# Altium PCB PCB1.PcbDoc (part 1 of 2) (continued)
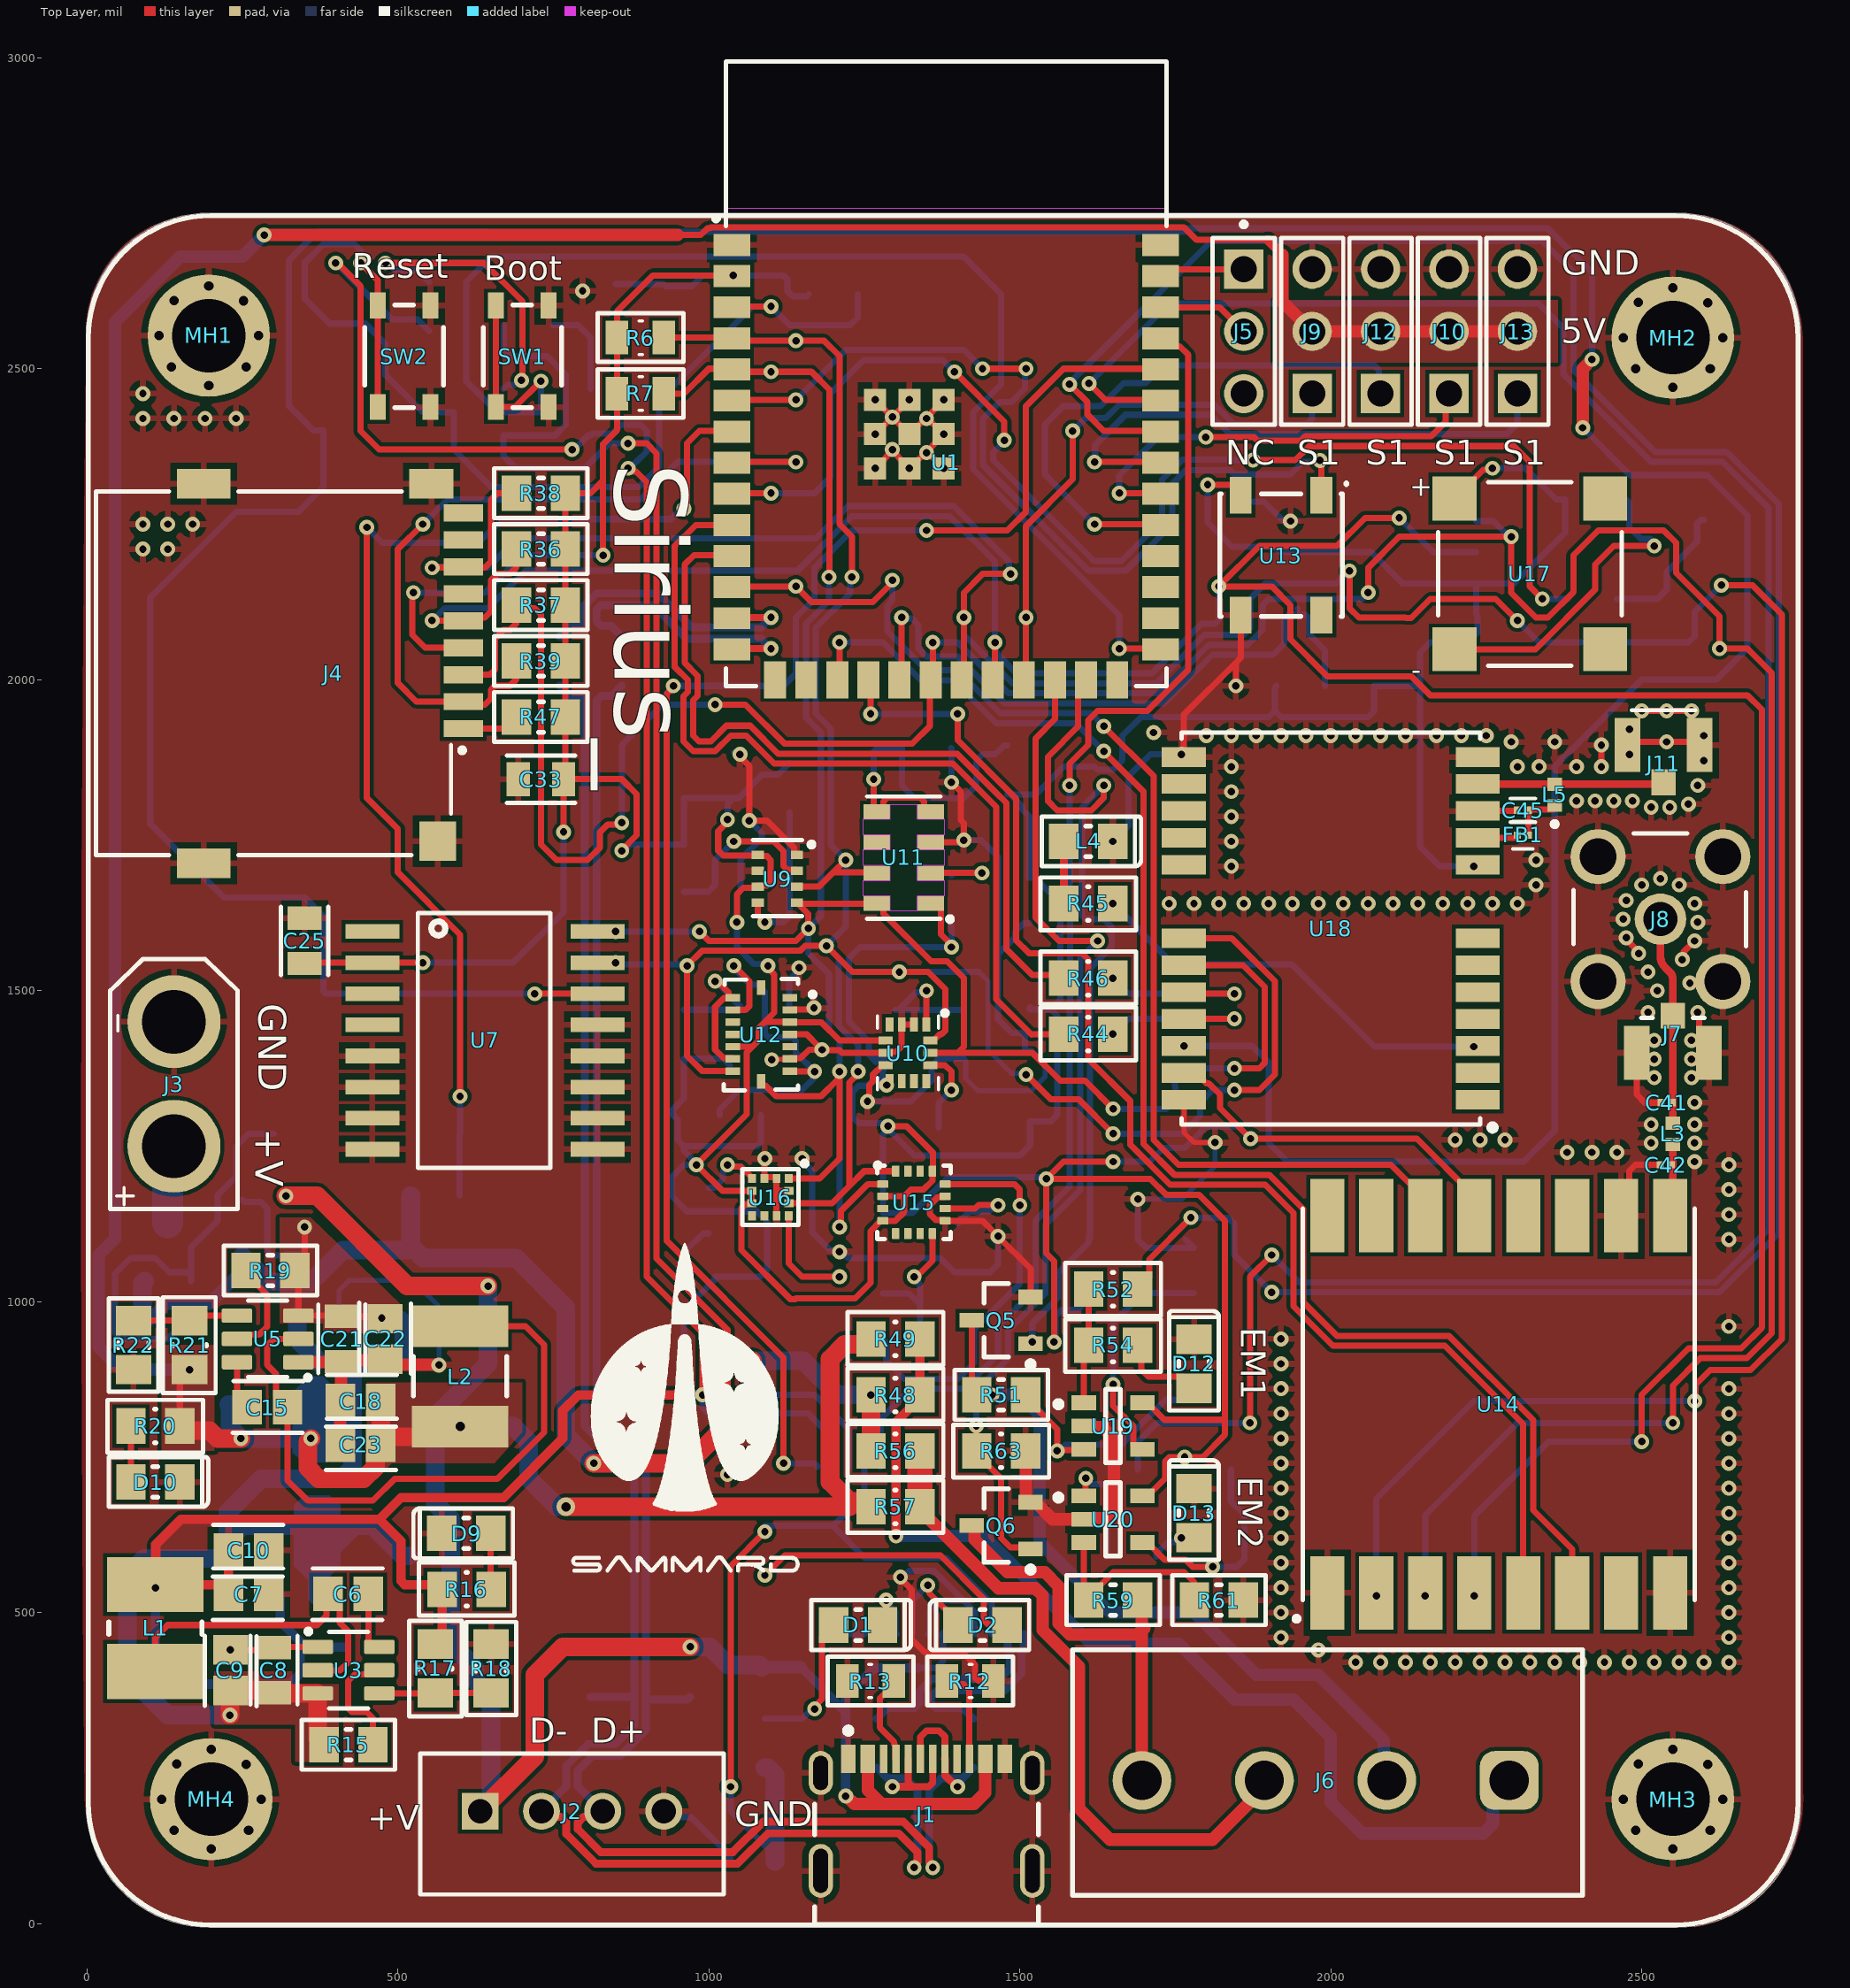
[diagram p0: Top Layer view]
## Components (designator, comment, footprint, x,y, rotation, side; value= is the part's Value field where it differs from the comment) (continued)
R44 "27Ohm" "1K 0805 RESISTOR" 1610,1430 r180 top locked value=27R
R45 "1k Ohm" "1K 0805 RESISTOR" 1610,1640 r0 top locked value=1kR
R46 "27Ohm" "1K 0805 RESISTOR" 1610,1520 r180 top locked value=27R
R47 "10k Ohm" RESC2013X60X35ML10T20 730,1940 r0 top locked value=10kR
R48 "0Ohm" "1K 0805 RESISTOR" 1300,850 r180 top locked value=0mR
R49 "0Ohm" "1K 0805 RESISTOR" 1300,940 r180 top locked value=0mR
R50 "1k Ohm" "1K 0805 RESISTOR" 1650,1010 r180 bottom locked value=1kR
R51 "10k Ohm" RESC2013X60X35ML10T20 1470,850 r180 top locked value=10kR
R52 "1k Ohm" "1K 0805 RESISTOR" 1650,1020 r0 top locked value=1kR
R53 "10k Ohm" RESC2013X60X35ML10T20 1780,900 r270 bottom locked value=10kR
R54 "1k Ohm" "1K 0805 RESISTOR" 1650,930 r0 top locked value=1kR
R55 "1k Ohm" "1K 0805 RESISTOR" 1650,1100 r0 bottom locked value=1kR
R56 "0Ohm" "1K 0805 RESISTOR" 1300,760 r180 top locked value=0mR
R57 "0Ohm" "1K 0805 RESISTOR" 1300,670 r180 top locked value=0mR
R58 "1k Ohm" "1K 0805 RESISTOR" 1800,730 r180 bottom locked value=1kR
R59 "10k Ohm" RESC2013X60X35ML10T20 1650,520 r0 top locked value=10kR
R60 "1k Ohm" "1K 0805 RESISTOR" 1650,730 r0 bottom locked value=1kR
R61 "10k Ohm" RESC2013X60X35ML10T20 1820,520 r180 top locked value=10kR
R62 "1k Ohm" "1K 0805 RESISTOR" 1680,590 r0 bottom locked value=1kR
R63 "1k Ohm" "1K 0805 RESISTOR" 1470,760 r0 top locked value=1kR
SW1 "SMD Switch" "OVAL SWITCH" 700,2520 r90 top locked
SW2 "SMD Switch" "OVAL SWITCH" 510,2520 r90 top locked
U1 "ESP32-S3-WROOM-1-N4R8" ESP32-S3-WROOM-1-N4 1381.5,2491.73 r0 top locked
U2 "FT232RL-REEL" FP-SSOP-28-IPC_B 1340,600 r270 bottom locked
U3 "TPS563201DDCR" TPS563201DDCR 420.59,407.4 r0 top locked
U4 "HT7833 3V3 Regulator" HT7833 370,593.31 r90 bottom locked
U5 "TPS563201DDCR" TPS563201DDCR 290.59,940 r180 top locked
U6 "AMS1117-5V" "AMS1117, 5V" 368.19,836.69 r270 bottom locked
U7 "DS3231 RTC" DS3231 640,1420 r270 top locked
U8 "W25Q128JVSIQ 16MB (128Mb)" W25Q128JVSIQ 2090,2180 r0 bottom locked
U9 "BMP280" BMP280 1110,1680 r0 top locked
U10 "LSM6DSL" LSM6DSO32TR 1320,1400 r270 top locked
U11 "MS5611" MS561101BA03-50 1313.31,1713.82 r180 top locked
U12 "BMI088" BMI088 1084.13,1429.69 r270 top locked
U13 "WS2812B, 5050" WS2812B 1920,2200 r270 top locked
U14 "RFM95W-915S2" RFM95W-915S2 2270,835 r90 top locked
U15 "HMC5883L-TR" HMC5883L-TR 1329.8,1159.53 r0 top locked
U16 "LIS3MDLTR" LIS3MDLTR 1099,1168.07 r270 top locked
U17 "Passive Buzzer" BUZZERCMT-7525-80-SMT-TR 2320,2170 r0 top locked
U18 "NEO-M8N-0" NEO-M8N-0 2000,1600 r180 top locked
U19 "MAX9075" "COMPARATOR MAX9075" 1650,800 r0 top locked
U20 "MAX9075" "COMPARATOR MAX9075" 1650,650 r0 top locked

## Footprints (in the part's own frame and the unit in brackets; to place one, negate y for a bottom-side part, rotate by r counter-clockwise, add the part's x,y. Pads: shape width x height; smd on the part's side, far side on the other; paste and mask are expansions set on the pad)
"0.1UF CAPACITOR" [mm] "0.1uf/100nf, FP-CC0805-0_85-MFG"
  rect 0.95x1.4 smd paste+0 mask+0: 1(-0.925,0) 2(0.925,0)
  silkscreen extent -1.4,-0.97 1.4,0.97, body extent -1,-0.63 1,0.63, height 0.95
"1K 0805 RESISTOR" [mm] "0805 Chip Resistor, 2-Leads, Body 2.1x1.35mm, IPC Low Density"
  rect 1.2x1.45 smd: 1(-1,0) 2(1,0)
  silkscreen extent -1.96,-1.09 1.96,1.07, body extent -1.05,-0.68 1.05,0.67, height 0.6
"1KOHM FERRITE BEAD 0402" [mm] "GZ1005U102CTF-SUNLORD-580mΩ ±25% 1kΩ@100MHz 0402 Ferrite Beads ROHS"
  rect 0.29x0.3 smd: 1(-0.222,0) 2(0.222,0)
  silkscreen extent -0.41,-0.56 0.41,0.56, body extent -0.2,-0.1 0.2,0.1, height 0.22
"3 PIN HEADER" [mm]
  rect 1.605x1.605 / inner round 1.605 / far side rect 1.605x1.605 hole 1.07: 1(-2.54,0)
  round 1.605 hole 1.07: 2(0,0) 3(2.54,0)
  silkscreen extent -4.47,-1.27 3.81,1.27, body extent -3.81,-1.27 3.81,1.27, height 7.37
3.3PF [mm] "0402"
  rect 0.29x0.3 smd: 1(-0.222,0) 2(0.222,0)
  body extent -0.2,-0.1 0.2,0.1, height 0.22
"10UF CAPACITOR" [mil]
  rect 47.47x55.44 smd paste+0 mask+0: 1(-32.53,0) 2(32.53,0)
  silkscreen extent -56,-41 58,42, body extent -39,-25 39,25, height 55
"0402 10NH" [mm] "0402 10nH, INDC1005X55N"
  rect 0.54x0.6 smd: 1(-0.432,0) 2(0.432,0)
  body extent -0.5,-0.25 0.5,0.25, height 0.55
"AMS1117, 5V" [mm] "SOT89"
  rect 1.4x0.6 smd: 1(-1.6,1.5) 3(-1.6,-1.5)
  rect 1.2x0.6 smd: 2(-1.7,0)
  Top Layer region: -1.1,0.3 -0.45,0.95 2.032,0.95 2.413,0.508 2.413,-0.508 2.032,-0.95 -0.45,-0.95 -1.1,-0.3
  silkscreen extent -1.88,-2.35 1.6,2.47, body extent -2.25,-2.35 1.95,2.35, height 1.6
"BATTERY HOLDER" [mm]
  round 10 smd paste-10: N(0,0)
  rect 2.5x5.1 smd: P(-11.45,0) P(11.45,0)
  silkscreen extent -10.55,-7.95 10.55,7.55, body extent -11.43,-7.75 11.43,7.75, height 2.79
BMI088 [mm] "IMU 6DOF"
  rect 0.3x0.59 smd: 1(-1.5,1.165) 2(-1,1.165) 3(-0.5,1.165) 4(0,1.165) 5(0.5,1.165) 6(1,1.165) 7(1.5,1.165) 9(1.5,-1.165) 10(1,-1.165) 11(0.5,-1.165) 12(0,-1.165) 13(-0.5,-1.165) 14(-1,-1.165) 15(-1.5,-1.165)
  rect 0.59x0.35 smd: 8(1.915,0) 16(-1.915,0)
  silkscreen extent -2.26,-1.53 2.29,2.2, body extent -2.25,-1.5 2.25,1.5, height 1
BMP280 [mm] "BMP280"
  rect 0.5x0.35 smd: 1(0.8,0.975) 2(0.8,0.325) 3(0.8,-0.325) 4(0.8,-0.975) 5(-0.8,-0.975) 6(-0.8,-0.325) 7(-0.8,0.325) 8(-0.8,0.975)
  silkscreen extent -0.99,-1.52 1.5,1.57, body extent -1,-1.25 1,1.25, height 1
BUZZERCMT-7525-80-SMT-TR [mm] "Passive Buzzer"
  rect 1.8x1.8 smd: 1(3.075,3.075) 2(3.075,-3.075) N(-3.075,-3.075) P(-3.075,3.075)
  silkscreen extent -3.75,-3.75 3.75,3.75, body extent -3.75,-3.75 3.75,3.75, height 2.5
"COMPARATOR MAX9075" [mm] "SOT23, 5-Leads, Body 2.90x2.45mm, Pitch 0.95mm, IPC Medium Density"
  rect 1x0.6 smd: GND(-1.2,0) IN+(-1.2,-0.95) IN-(1.2,-0.95) OUT(-1.2,0.95) VCC(1.2,0.95)
  silkscreen extent -2.36,-1.5 0.3,1.5, body extent -1.3,-1.5 1.3,1.5, height 0.9
DS3231 [mm] "RTC"
  rect 0.6x2.2 smd: 1(-4.445,-4.6) 2(-3.175,-4.6) 3(-1.905,-4.6) 4(-0.635,-4.6) 5(0.635,-4.6) 6(1.905,-4.6) 7(3.175,-4.6) 8(4.445,-4.6) 9(4.445,4.6) 10(3.175,4.6) 11(1.905,4.6) 12(0.635,4.6) 13(-0.635,4.6) 14(-1.905,4.6) 15(-3.175,4.6) 16(-4.445,4.6)
  silkscreen extent -5.21,-2.74 5.21,2.67, body extent -5.15,-5.16 5.15,5.16, height 2.65
ESP32-S3-WROOM-1-N4 [mm]
  rect 1.5x0.9 smd: 1(-8.75,5.26) 2(-8.75,3.99) 3(-8.75,2.72) 4(-8.75,1.45) 5(-8.75,0.18) 6(-8.75,-1.09) 7(-8.75,-2.36) 8(-8.75,-3.63) 9(-8.75,-4.9) 10(-8.75,-6.17) 11(-8.75,-7.44) 12(-8.75,-8.71) 13(-8.75,-9.98) 14(-8.75,-11.25) 27(8.75,-11.25) 28(8.75,-9.98) 29(8.75,-8.71) 30(8.75,-7.44) 31(8.75,-6.17) 32(8.75,-4.9) 33(8.75,-3.63) 34(8.75,-2.36) 35(8.75,-1.09) 36(8.75,0.18) 37(8.75,1.45) 38(8.75,2.72) 39(8.75,3.99) 40(8.75,5.26)
  rect 0.9x1.5 smd: 15(-6.985,-12.5) 16(-5.715,-12.5) 17(-4.445,-12.5) 18(-3.175,-12.5) 19(-1.905,-12.5) 20(-0.635,-12.5) 21(0.635,-12.5) 22(1.905,-12.5) 23(3.175,-12.5) 24(4.445,-12.5) 25(5.715,-12.5) 26(6.985,-12.5)
  rect 0.9x0.9 smd: 41_1(-1.5,-2.46) 41_2(-2.9,-2.46) 41_3(-0.1,-2.46) 41_4(-2.9,-3.86) 41_5(-1.5,-3.86) 41_6(-0.1,-3.86) 41_7(-2.9,-1.06) 41_8(-1.5,-1.06) 41_9(-0.1,-1.06)
  Keep-Out Layer region: 9,6.75 -9,6.75 -9,12.75 9,12.75
  Keep-Out Layer region: 9,6.75 -9,6.75 -9,12.75 9,12.75
  silkscreen extent -9.5,-12.75 9,12.75, body extent -9,-12.75 9,12.75, height 3.25
FP-SSOP-28-IPC_B [mm]
  rect 1.782x0.455 smd paste+0 mask+0: 1(-3.414,4.225)
  rrect100% 1.782x0.455 smd paste+0 mask+0: 2(-3.414,3.575) 3(-3.414,2.925) 4(-3.414,2.275) 5(-3.414,1.625) 6(-3.414,0.975) 7(-3.414,0.325) 8(-3.414,-0.325) 9(-3.414,-0.975) 10(-3.414,-1.625) 11(-3.414,-2.275) 12(-3.414,-2.925) 13(-3.414,-3.575) 14(-3.414,-4.225) 15(3.414,-4.225) 16(3.414,-3.575) 17(3.414,-2.925) 18(3.414,-2.275) 19(3.414,-1.625) 20(3.414,-0.975) 21(3.414,-0.325) 22(3.414,0.325) 23(3.414,0.975) 24(3.414,1.625) 25(3.414,2.275) 26(3.414,2.925) 27(3.414,3.575) 28(3.414,4.225)
  silkscreen extent -3.55,-5.1 2.02,5.1, body extent -3.9,-5.1 3.9,5.1, height 2
HMC5883L-TR [mm]
  rrect17% 0.45x0.3 smd: 1(-1.275,0.75) 2(-1.275,0.25) 3(-1.275,-0.25) 4(-1.275,-0.75) 9(1.275,-0.75) 10(1.275,-0.25) 11(1.275,0.25) 12(1.275,0.75)
  rrect17% 0.3x0.45 smd: 5(-0.75,-1.275) 6(-0.25,-1.275) 7(0.25,-1.275) 8(0.75,-1.275) 13(0.75,1.275) 14(0.25,1.275) 15(-0.25,1.275) 16(-0.75,1.275)
  silkscreen extent -1.58,-1.5 1.5,1.61, body extent -1.5,-1.5 1.5,1.5, height 0.9
HT7833 [mm] "SOT89, 3-Leads, Body 4.54x2.49mm, Pitch 1.50mm, Lead Span 3.5mm, IPC Medium Density"
  rect 1.4x0.6 smd: 1(-1.6,1.5) 3(-1.6,-1.5)
  rect 1.2x0.6 smd: 2(-1.7,0)
  Top Layer region: -1.1,0.3 -0.45,0.95 2.032,0.95 2.413,0.508 2.413,-0.508 2.032,-0.95 -0.45,-0.95 -1.1,-0.3
  silkscreen extent -1.88,-2.35 1.6,2.48, body extent -2.25,-2.35 1.95,2.35, height 1.6
JST_B4B-XH-A [mm]
  rect 1.508x1.508 / inner round 1.508 / far side rect 1.508x1.508 hole 1: 1(3.75,-0.525)
  round 1.508 hole 1: 2(1.25,-0.525) 3(-1.25,-0.525) 4(-3.75,-0.525)
  silkscreen extent -6.2,-2.88 6.2,2.88, body extent -6.18,-2.88 6.22,2.88, height 7
"LED BLUE" [mm] "0805"
  rect 1.2x1.45 smd: A(-1,0) C(1,0)
  silkscreen extent -1.91,-1.02 2.16,1.02, body extent -1.01,-0.63 1.01,0.63, height 1.1
"LED GREEN" [mm] "0805"
  rect 1.2x1.45 smd: A(-1,0) C(1,0)
  silkscreen extent -1.91,-1.02 2.16,1.02, body extent -1,-0.63 1,0.63, height 0.8
"LED RED" [mm] "0805"
  rect 1.2x1.45 smd: A(-1,0) C(1,0)
  silkscreen extent -1.91,-1.02 2.16,1.02, body extent -1.01,-0.63 1.01,0.63, height 1.1
LIS3MDLTR [mm]
  rect 0.375x0.32 smd mask+0: 1(-0.763,0.75) 2(-0.763,0.25) 3(-0.763,-0.25) 4(-0.763,-0.75) 7(0.763,-0.75) 8(0.763,-0.25) 9(0.763,0.25) 10(0.763,0.75)
  rect 0.32x0.375 smd mask+0: 5(-0.25,-0.763) 6(0.25,-0.763) 11(0.25,0.763) 12(-0.25,0.763)
  silkscreen extent -1.47,-1.14 1.14,1.5, body extent -1,-1 1,1, height 1
LSM6DSO32TR [mm] "IMU"
  rect 0.575x0.32 smd mask+0.05: 1(-1.162,0.75) 2(-1.162,0.25) 3(-1.162,-0.25) 4(-1.162,-0.75) 8(1.162,-0.75) 9(1.162,-0.25) 10(1.162,0.25) 11(1.162,0.75)
  rect 0.32x0.575 smd mask+0.05: 5(-0.5,-0.913) 6(0,-0.913) 7(0.5,-0.913) 12(0.5,0.913) 13(0,0.913) 14(-0.5,0.913)
  silkscreen extent -1.72,-1.25 1.5,1.61, body extent -1.5,-1.25 1.5,1.25, height 0.86
"MICRO SD CARD" [mm]
  rect 0.7x1.6 smd: 1(2.25,7.75) 2(1.15,7.75) 3(0.05,7.75) 4(-1.05,7.75) 5(-2.15,7.75) 6(-3.25,7.75) 7(-4.35,7.75) 8(-5.45,7.75) CD(-6.55,7.75)
  rect 1.2x1.8 smd: G1(-7.75,6.45)
  rect 1.6x1.5 smd: G2(6.85,6.7)
  rect 1.2x2.2 smd: G3(-7.75,-2.85) G4(7.75,-2.85)
  silkscreen extent -7.42,-7.25 7.42,7.8, body extent -8.02,-7.3 8.12,7.75, height 1.8
MS561101BA03-50 [mm]
  rect 1.1x0.6 smd: 1(-1.1,1.875) 2(-1.1,0.625) 3(-1.1,-0.625) 4(-1.1,-1.875) 5(1.1,-1.875) 6(1.1,-0.625) 7(1.1,0.625) 8(1.1,1.875)
  Keep-Out Layer region: 0.55,1.575 1.65,1.575 1.65,0.925 0.55,0.925 0.55,0.325 1.65,0.325 1.65,-0.325 0.55,-0.325 0.55,-0.925 1.65,-0.925 1.65,-1.575 0.55,-1.575 0.55,-2.175 -0.55,-2.175 -0.55,-1.575 -1.65,-1.575 -1.65,-0.925 -0.55,-0.925 -0.55,-0.325 -1.65,-0.325 -1.65,0.325 -0.55,0.325 -0.55,0.925 -1.65,0.925 -1.65,1.575 -0.55,1.575 -0.55,2.175 0.55,2.175
  silkscreen extent -1.99,-2.5 1.5,2.61, body extent -1.5,-2.5 1.5,2.5, height 1
NEO-M8N-0 [mm]
  rect 1.8x0.8 smd paste-2: 1(-6,7) 2(-6,5.9) 3(-6,4.8) 4(-6,3.7) 5(-6,2.6) 6(-6,1.5) 7(-6,0.4) 8(-6,-2.6) 9(-6,-3.7) 10(-6,-4.8) 11(-6,-5.9) 12(-6,-7) 13(6,-7) 14(6,-5.9) 15(6,-4.8) 16(6,-3.7) 17(6,-2.6) 18(6,0.4) 19(6,1.5) 20(6,2.6) 21(6,3.7) 22(6,4.8) 23(6,5.9) 24(6,7)
  silkscreen extent -6.7,-8 6.1,8.23, body extent -6.1,-8 6.1,8, height 2.6
"OVAL SWITCH" [mm] "FP-PTS810_SJG_250_SMTR_LF-MFG"
  rect 1.05x0.65 smd paste+0 mask+0: 1(-2.075,1.075) 2(2.075,1.075) 3(-2.075,-1.075) 4(2.075,-1.075)
  silkscreen extent -2.1,-1.6 2.1,1.6, body extent -2.7,-1.7 2.7,1.7, height 0.25
"P MOSFET SL2P10A" [mm] "SOT23, 3-Leads, Body 2.90x2.45mm, Pitch 0.95mm, IPC Medium Density"
  rect 1x0.6 smd: D(1.2,0) G(-1.2,0.95) S(-1.2,-0.95)
  silkscreen extent -1.32,-1.5 0.7,1.93, body extent -1.18,-1.46 1.18,1.46, height 1.12
PMH [mm] "3.5mm"
  round 5 hole 3: GND(0,0)
RESC2012X60N [mm] "0805"
  rect 0.92x1.38 smd: 1(-0.955,0) 2(0.955,0)
  silkscreen extent -1.75,-0.99 1.75,0.99, body extent -1,-0.57 1,0.68, height 0.6
RESC2013X60X35ML10T20 [mm] "10k Chip Resistor, 2-Leads, Body 2.1x1.35mm, IPC Low Density"
  rect 1.2x1.45 smd: 1(-1,0) 2(1,0)
  silkscreen extent -1.91,-1.02 1.91,1.02, body extent -1.05,-0.68 1.05,0.67, height 0.6
RFM95W-915S2 [mm]
  rect 3x1.4 smd: 1(-7.7,7) 2(-7.7,5) 3(-7.7,3) 4(-7.7,1) 5(-7.7,-1) 6(-7.7,-3) 7(-7.7,-5) 8(-7.7,-7) 9(7.7,-7) 10(7.7,-5) 11(7.7,-3) 12(7.7,-1) 13(7.7,1) 14(7.7,3) 15(7.7,5) 16(7.7,7)
  silkscreen extent -8.86,-8 8,8.35, body extent -8,-8 8,8, height 1.8
"SCREW TERMINAL" [mm] "5.08 pitch"
  rrect50% 2.4x2.4 hole 1.6: 1(-7.541,-0.258)
  round 2.4 hole 1.6: 2(-2.541,-0.258) 3(2.459,-0.258) 4(7.459,-0.258)
  silkscreen extent -10.54,-5.59 10.29,4.44, body extent -10.16,-5.33 10.16,4.47, height 13.8
SMA_CONNECTOR [mm]
  round 2.1 hole 1.4: 1(-0.127,3.048)
  round 2.25 hole 1.5: GND(-2.677,5.598) GND(-2.677,0.498) GND(2.423,5.598) GND(2.423,0.498)
  silkscreen extent -1.23,-0.45 3.37,6.6, body extent -3.75,-8.62 3.25,6.58, height 10
SOD2513X110N [mm]
  rrect25% 1.21x0.5 smd: A(1.105,0) C(-1.105,0)
  silkscreen extent -2.31,-0.63 0.85,0.63, body extent -1.25,-0.63 1.25,0.63, height 1.1
SWPA4030S [mm] "Precision Wire Wound Inductor, 2-Leads, Body 4.00x4.00mm, IPC Medium Density"
  rect 2.25x3.95 smd: 1(-1.775,0) 2(1.775,0)
  silkscreen extent -0.25,-1.9 0.25,1.9, body extent -1.9,-1.9 1.9,1.9, height 2.3
SWPA5020 [mm] "Precision Wire Wound Inductor, 2-Leads, Body 4.00x4.00mm, IPC Medium Density"
  rect 1.7x3.95 smd: 1(-2.05,0) 2(2.05,0)
  silkscreen extent -0.8,-1.9 0.8,1.9, body extent -1.9,-1.9 1.9,1.9, height 2.3
TPS563201DDCR [mm] "SOT95P280X110-6N"
  rrect25% 1.25x0.59 smd: 1(-1.255,0.95) 2(-1.255,0) 3(-1.255,-0.95) 4(1.255,-0.95) 5(1.255,0) 6(1.255,0.95)
  silkscreen extent -1.74,-1.57 0.8,1.68, body extent -1.4,-1.45 1.4,1.45, height 1.1
TRANSISTOR_SS8050-G [mm]
  rect 0.8x0.6 smd: 1(-1.01,0.95) 2(-1.01,-0.95) 3(1.01,0)
  silkscreen extent -0.29,-1.45 0.65,1.45, body extent -1.2,-1.45 1.2,1.45, height 1.14
"TVS DIODE" [mm] "Bi-directional"
  rrect15% 2.25x2.13 smd: 1(-2.175,0) 2(2.175,0)
  silkscreen extent -2.65,-1.45 2.65,1.45, body extent -2.65,-1.81 2.65,1.81, height 2.5
"TYPE C" [mm] "FP-2171790001-MFG"
  rect 0.6x1.15 smd paste+0 mask+0: A1B12(-3.2,3.425) A4B9(-2.4,3.425) B1A12(3.2,3.425) B4A9(2.4,3.425)
  rect 0.3x1.15 smd paste+0 mask+0: A5(-1.25,3.425) A6(-0.25,3.425) A7(0.25,3.425) A8(1.25,3.425) B5(1.75,3.425) B6(0.75,3.425) B7(-0.75,3.425) B8(-1.75,3.425)
  rrect100% 1x1.8 hole 1.4 slot 0.6 at 0 deg paste-2539.97 mask+0: S1(-4.32,2.85) S2(4.32,2.85)
  rrect100% 1x2.2 hole 1.8 slot 0.6 at 0 deg paste-2539.97 mask+0: S3(-4.32,-1.15) S4(4.32,-1.15)
  silkscreen extent -4.57,-3.35 4.57,4.7, body extent -4.92,-3.45 4.92,4.1, height 0.25
U.FL [mm]
  rect 1x1.05 smd: 1(0,-1.525)
  rect 1.05x2.2 smd: GND(-1.475,0) GND(1.475,0)
  silkscreen extent -1.3,-1.42 1.3,-1.42, body extent -1.48,-1.52 1.52,1.58, height 1.3
W25Q128JVSIQ [mm] "SOIC, 8-Leads, Body 5.4x5.4mm, Pitch 1.27mm, IPC Low Density"
  oval 1.9x0.65 smd: 1(-3.65,1.905) 2(-3.65,0.635) 3(-3.65,-0.635) 4(-3.65,-1.905) 5(3.65,-1.905) 6(3.65,-0.635) 7(3.65,0.635) 8(3.65,1.905)
  silkscreen extent -3.77,-2.7 2.3,2.9, body extent -3.95,-2.64 3.95,2.64, height 2.16
WS2812B [mm] "5050 SMD, 4-Leads, Body 5x5mm"
  rect 1.5x0.9 smd: DIN(-2.45,1.65) DOUT(2.45,1.65) VDD(-2.45,-1.65) VSS(2.45,-1.65)
  silkscreen extent -2.94,-2.5 2.5,2.67, body extent -2.7,-2.5 2.7,2.5, height 1.68
XT30UPB-F [mm]
  round 3.8 hole 2.6: GND(2.54,0) VIN(-2.54,0)
  silkscreen extent -5.1,-2.6 5.1,2.6, body extent -5.4,-2.98 5.4,2.92, height 11.4

## Part data
B1: library part "Button Cell", "CR2032 Button Cell"
C1 C4 C5 C8 C12 C14 C17 C20 C21 C24 C25 C26 C27 C28 C29 C30 C31 C32 C33 C34 C35 C36 C37 C39 C43 C46 C47: library part CC0805KRX7R9BB104, "0.1 uF, Multilayer Ceramic Capacitor, 50 V, ï¿½ 10%, X7R, 0805 [2012 Metric]", Case Code (Imperial)=0805, Case Code (Metric)=2012, Dielectric=X7R, Insulation Resistance=100GR, Manufacturer=Yageo, Max Operating Temperature=125°C, Min Operating Temperature=-55°C, Package Quantity=4000, Supplier Part Number=2986263, Tolerance=10%, Voltage=50V, Case/Package=0805, Category="Ceramic Capacitors", Depth=1.25mm, Halogen Free=5694HalogenFree, Height=0.85mm, Lead Free=5697LeadFree, Length=2mm, Manufacturer Part Number=CC0805KRX7R9BB104, Material=Ceramic, Mounting Technology="Surface Mount", Packaging="Tape and Reel", Pins=2, Pricing="4000=0.009, 12000=0.0088, 40000=0.0085, 80000=0.0083, 160000=0.008 (USD)", Radiation Hardening=No, Reach SVHC Compliant=No, RoHS=Yes, RoHS Compliant=Yes, Series=CC, Stock=2884000, Supplier="Future Electronics", Termination=SMD/SMT, Voltage Rating=50V
C2 C3 C6 C15 C38 C44: library part CC0805KKX7R6BB105, "1uF, Ceramic Capacitor, Multilayer, Ceramic, 10V, 10% +Tol, 10% -Tol, X7R, 15% TC,Surface Mount, 0805", Capacitor Type=Ceramic, Case/Package=0805, Manufacturer=Yageo, Max Operating Temperature=125°C, Min Operating Temperature=-55°C, Package Shape=Rectangular, Package Style=SMTMeter, Rated DC Voltage (URdc)=10V, Supplier Part Number=2015429, Temperature Characteristics Code=X7R, Tolerance  (fill in as +-)=10%, Category="Ceramic Capacitors", ComponentLink1Description=https://datasheet.ciiva.com:443/pdfs/VipMasterIC/IC/YAGO/YAGO-S-A0003557223/YAGO-S-A0003557223-1.pdf?src-supplier=IHS+Markit, ComponentLink1URL=https://datasheet.ciiva.com:443/pdfs/VipMasterIC/IC/YAGO/YAGO-S-A0003557223/YAGO-S-A0003557223-1.pdf?src-supplier=IHS+Markit, Dielectric Material=Ceramic, Height=1.25mm, JESD-609 Code=e3, Length=2mm, Manufacturer Part Number=CC0805KKX7R6BB105, Mounting Technology="Surface Mount", Multilayer=Yes, Packaging="Tape and Reel", Pins=2, Pricing="3000=0.0123, 9000=0.012, 30000=0.0117, 60000=0.0116, 120000=0.0112 (USD)", Reach SVHC Compliant=Yes, RoHS=Yes, RoHS Compliant=Yes, Stock=114000, Supplier="Future Electronics", Terminal Finish=Nickel, Termination=Wraparound, Tolerance (fill in as +-)=10%, Width=1.25mm
C7 C9 C10 C11 C16 C18 C22 C23: library part "22uF Capacitor", "CL21A226KOQNNNE-Samsang-16V 22uF X5R ±10% 0805 Multilayer Ceramic Capacitors MLCC – SMD/SMT ROHS"
C13 C19: library part GRM21BR61E106KA73L, "10uF, Multilayer Ceramic Capacitor, 25 V, ï¿½ 10%, X5R, 0805 [2012 Metric]", Case Code (Imperial)=0805, Case Code (Metric)=2012, Dielectric=X5R, Manufacturer=Murata, Max Operating Temperature=85°C, Min Operating Temperature=-55°C, Package Quantity=1, Supplier Part Number=81-GRM21BR61E106KA3L, Tolerance=10%, Voltage=25V, Case/Package=0805, Category="Ceramic Capacitors", ComponentLink1Description=https://datasheet.ciiva.com/14116/grmseries-highdielectrictype-eng-14116376.pdf?src-supplier=Distrelec, ComponentLink1URL=https://datasheet.ciiva.com/14116/grmseries-highdielectrictype-eng-14116376.pdf?src-supplier=Distrelec, ComponentLink2Description=https://datasheet.ciiva.com/7719/1747469-7719093.pdf?src-supplier=Element14, ComponentLink2URL=https://datasheet.ciiva.com/7719/1747469-7719093.pdf?src-supplier=Element14, Construction=Flat, Depth=1.25mm, Height=1.25mm, Lead Free=5697LeadFree, Length=2mm, Manufacturer Part Number=GRM21BR61E106KA73L, Material=Ceramic, Mounting Technology="Surface Mount", Packaging="Tape and Reel", Pricing="1=0.13, 10=0.038, 50=0.038, 100=0.035, 1000=0.035, 10000=0.027 (USD)", Reach SVHC Compliant=No, RoHS=Yes, RoHS Compliant=Yes, Series=GRM, Stock=165824, Supplier=Mouser, Termination=SMD/SMT, Thickness=0.053inch, Voltage Rating=25V, Voltage Rating (DC)=25V, Width=0.049inch
C40: library part "4.7uF Capacitor", "0603, 25V"
C41 C42: library part "3.3pF Capacitor", "0402"
C45: library part "10nf Capacitor", "TCC0402X7R103J500AT-CCTC-SMT ceramic capacitors 0402 X7R 103J(10nF)±5.0% Rated voltage:50V thickness:0.50mm tape"
D1 D2 D12 D13: library part "LED Blue"
D3 D4 D5: library part SMBJ7.5CA, "SMBJ Series 5 W 9.21 V Bi-Directional Surface Mount TVS Diode - SMB", Manufacturer=Littelfuse, Max Reverse Leakage Current=100uA, Reverse Voltage=7.5V, Supplier Part Number=SMBJ7.5CALFCT-ND, Category="TVS Diodes", ComponentLink1Description=https://datasheet.ciiva.com/15143/getdatasheetpartid-149559-15143802.pdf?src-supplier=Verical, ComponentLink1URL=https://datasheet.ciiva.com/15143/getdatasheetpartid-149559-15143802.pdf?src-supplier=Verical, ComponentLink2Description=https://datasheet.ciiva.com/16487/littelfuse-tvs-diode-smbj-16487753.pdf?src-supplier=Future+Electronics, ComponentLink2URL=https://datasheet.ciiva.com/16487/littelfuse-tvs-diode-smbj-16487753.pdf?src-supplier=Future+Electronics, ComponentLink3Description=https://datasheet.ciiva.com/331/littelfuse-tvs-diode-smbj-datasheet-pdf-331604.pdf?src-supplier=Digikey, ComponentLink3URL=https://datasheet.ciiva.com/331/littelfuse-tvs-diode-smbj-datasheet-pdf-331604.pdf?src-supplier=Digikey, ComponentLink4Description=https://datasheet.ciiva.com/331/littelfuse-tvs-diode-smbj-datasheet-pdf-331605.pdf?src-supplier=Digikey, ComponentLink4URL=https://datasheet.ciiva.com/331/littelfuse-tvs-diode-smbj-datasheet-pdf-331605.pdf?src-supplier=Digikey, ComponentLink5Description=https://datasheet.ciiva.com/331/littelfuse-tvs-diode-smbj-datasheet-pdf-331606.pdf?src-supplier=Digikey, ComponentLink5URL=https://datasheet.ciiva.com/331/littelfuse-tvs-diode-smbj-datasheet-pdf-331606.pdf?src-supplier=Digikey, ComponentLink6Description=https://datasheet.ciiva.com/331/littelfuse-tvs-diode-smbj-datasheet-pdf-331616.pdf?src-supplier=Digikey, ComponentLink6URL=https://datasheet.ciiva.com/331/littelfuse-tvs-diode-smbj-datasheet-pdf-331616.pdf?src-supplier=Digikey, ComponentLink7Description=https://datasheet.ciiva.com/331/littelfuse-tvs-diode-smbj-datasheet-pdf-331617.pdf?src-supplier=Digikey, ComponentLink7URL=https://datasheet.ciiva.com/331/littelfuse-tvs-diode-smbj-datasheet-pdf-331617.pdf?src-supplier=Digikey, ComponentLink8Description=https://datasheet.ciiva.com/8062/13057-8062350.pdf?src-supplier=Element14, ComponentLink8URL=https://datasheet.ciiva.com/8062/13057-8062350.pdf?src-supplier=Element14, Manufacturer Part Number=SMBJ7.5CA, Pricing="1=0.33, 10=0.215, 100=0.115, 500=0.113, 1000=0.111 (USD)", RoHS=Yes, Stock=3822, Supplier=Digikey
D6 D7 D8 D11: "BAT54HT1G-ONSEMI-BAT54HT1G-Small Signal Schottky Diode, Single, 30 V, 200 mA, 800 mV, 600 mA, 150 °C", Package="SOD-323 Infineon", Arrow_Electronics-Purchase-URL=https://snapeda.com/shop?store=Arrow+Electronics&id=447647, Availability=Unavailable, DigiKey-Purchase-URL=https://snapeda.com/shop?store=DigiKey&id=447647, MF="Infineon Technologies", Mouser-Purchase-URL=https://snapeda.com/shop?store=Mouser&id=447647, MP=BAS3010A03WE6327HTSA1, Price=None, SnapEDA_Link=https://www.snapeda.com/parts/BAS3010A03WE6327HTSA1/Infineon%20Technologies/view-part/447647/?ref=snap
D9 D10: library part "LED RED"
FB1: library part BLM21AG102SN1D, "Ferrite Beads Multi-Layer 1KOhm 25% 100MHz 600mA 270mOhm DCR 0805 T/R", Case Code (Imperial)=0805, Case Code (Metric)=2012, Current Rating=500mA, DC Current=200mA, DC Resistance (DCR)=280mR, Frequency=100MHz, Manufacturer=Murata, Max Operating Temperature=125°C, Min Operating Temperature=-55°C, Package Quantity=1, RMS Current (Irms)=600mA, Supplier Part Number=81-BLM21AG102SN1, Tolerance=25%, Case/Package=0805, Category="Ferrite Beads and Chips", ComponentLink1Description=https://datasheet.ciiva.com/19454/1845136-19454717.pdf?src-supplier=Jameco, ComponentLink1URL=https://datasheet.ciiva.com/19454/1845136-19454717.pdf?src-supplier=Jameco, ComponentLink2Description=https://datasheet.ciiva.com/41449/001172322-da-01-en-drossel-0805-1000r-2-0x1-25mm-4000st-41449636.pdf?src-supplier=Conrad, ComponentLink2URL=https://datasheet.ciiva.com/41449/001172322-da-01-en-drossel-0805-1000r-2-0x1-25mm-4000st-41449636.pdf?src-supplier=Conrad, ComponentLink3Description=https://datasheet.ciiva.com/29347/442432-da-01-en-chip-drossel-0805-1000r-200ma-2-0x1-25mm-29347996.pdf?src-supplier=Conrad, ComponentLink3URL=https://datasheet.ciiva.com/29347/442432-da-01-en-chip-drossel-0805-1000r-200ma-2-0x1-25mm-29347996.pdf?src-supplier=Conrad, ComponentLink4Description=https://datasheet.ciiva.com/3082/l0110s0100blm21a-3082728.pdf?src-supplier=Avnet, ComponentLink4URL=https://datasheet.ciiva.com/3082/l0110s0100blm21a-3082728.pdf?src-supplier=Avnet, ComponentLink5Description=https://datasheet.ciiva.com/8021/l0110s0100blm21a-8021548.pdf?src-supplier=Element14, ComponentLink5URL=https://datasheet.ciiva.com/8021/l0110s0100blm21a-8021548.pdf?src-supplier=Element14, ComponentLink6Description=https://datasheet.ciiva.com/8021/l0110s0100blm21a-8021550.pdf?src-supplier=Element14, ComponentLink6URL=https://datasheet.ciiva.com/8021/l0110s0100blm21a-8021550.pdf?src-supplier=Element14, ComponentLink7Description=https://datasheet.ciiva.com/6212/l0110s0100blm21a-6212347.pdf?src-supplier=Digikey, ComponentLink7URL=https://datasheet.ciiva.com/6212/l0110s0100blm21a-6212347.pdf?src-supplier=Digikey, ComponentLink8Description=https://datasheet.ciiva.com/6212/l0110s0100blm21a-6212345.pdf?src-supplier=Digikey, ComponentLink8URL=https://datasheet.ciiva.com/6212/l0110s0100blm21a-6212345.pdf?src-supplier=Digikey, ComponentLink9Description=https://datasheet.ciiva.com/6212/l0110s0100blm21a-6212318.pdf?src-supplier=Digikey, ComponentLink9URL=https://datasheet.ciiva.com/6212/l0110s0100blm21a-6212318.pdf?src-supplier=Digikey, Core Material=Ferrite, DC Resistance-Max=280mR, Depth=1.25mm, ESR=270mR, Height=0.85mm, Impedance=1kR, Lead Free="Lead Free", Length=2mm, Manufacturer Part Number=BLM21AG102SN1D, Material=Steel,Ferrite, Max Current Rating=500mA, Max DC Current=200mA, Military Standard=Not, Number of Circuits=1, Number of Lines=1, Packaging="Tape and Reel", Pins=2, Pricing="1=0.16, 10=0.083, 50=0.083, 100=0.064, 1000=0.055, 10000=0.038 (USD)", Radiation Hardening=No, Reach SVHC Compliant=No, RoHS=Yes, RoHS Compliant=Yes, Series=BLM21A, Shielding=Unshielded, Stock=100884, Supplier=Mouser, Termination=SMD/SMT, Test Frequency=100MHz, Weight=0.000194oz, Width=1.25mm
J1: "USB Connector, 16 Contact(s), Female, Right Angle, Surface Mount Terminal, Locking, Receptacle", Current Rating=1.25A, Manufacturer=Molex, Manufacturer Part Number=217179-0001, Max Operating Temperature=85°C, Min Operating Temperature=-40°C, Supplier Part Number=35AJ1973, Voltage Rating=30V, Category=Connectors, Contact Material=Nickel,Gold, Gender=Receptacle, Height=3.36mm, Number of Contacts=16, Pricing="1=1.05, 25=0.707, 100=0.609, 250=0.592, 500=0.575 (USD)", RoHS=No, Stock=7075, Supplier=Avnet, USB Standard="USB 2.0"
J2: library part B4B-XH-A-JST, "Board Connector, 4 Contact(s), 1 Row(s), Male, Straight, Solder Terminal,", Manufacturer=JST, Manufacturer Part Number=B4B-XH-A, Supplier Part Number=455-B4B-XH-A-ND, Category="FFC / FPC", ComponentLink1Description=https://datasheet.ciiva.com/14155/xh-series-eng-tds-14155433.pdf?src-supplier=Distrelec, ComponentLink1URL=https://datasheet.ciiva.com/14155/xh-series-eng-tds-14155433.pdf?src-supplier=Distrelec, Orientation=5491OrientationType, Pricing="1=0.17, 10=0.149, 100=0.1262, 500=0.1126, 1000=0.10721, 5000=0.09569, 10000=0.09112 (USD)", RoHS=Yes, Stock=199106, Supplier=Digikey